# KiCad board B2_panel.kicad_pcb
title: Kleinvoet; date: 2023-07-04; rev: ${PROJECT_REV}; company: Department of Electrical and Electronic Engineering - Stellenbosch University; note: Digital Signal Processing Laboratory; note: Author: CM Geldenhuys <cmgeldenhuys@sun.ac.za>; note: Project: Kleinvoet; note: License: CERN-OHL-S-2.0
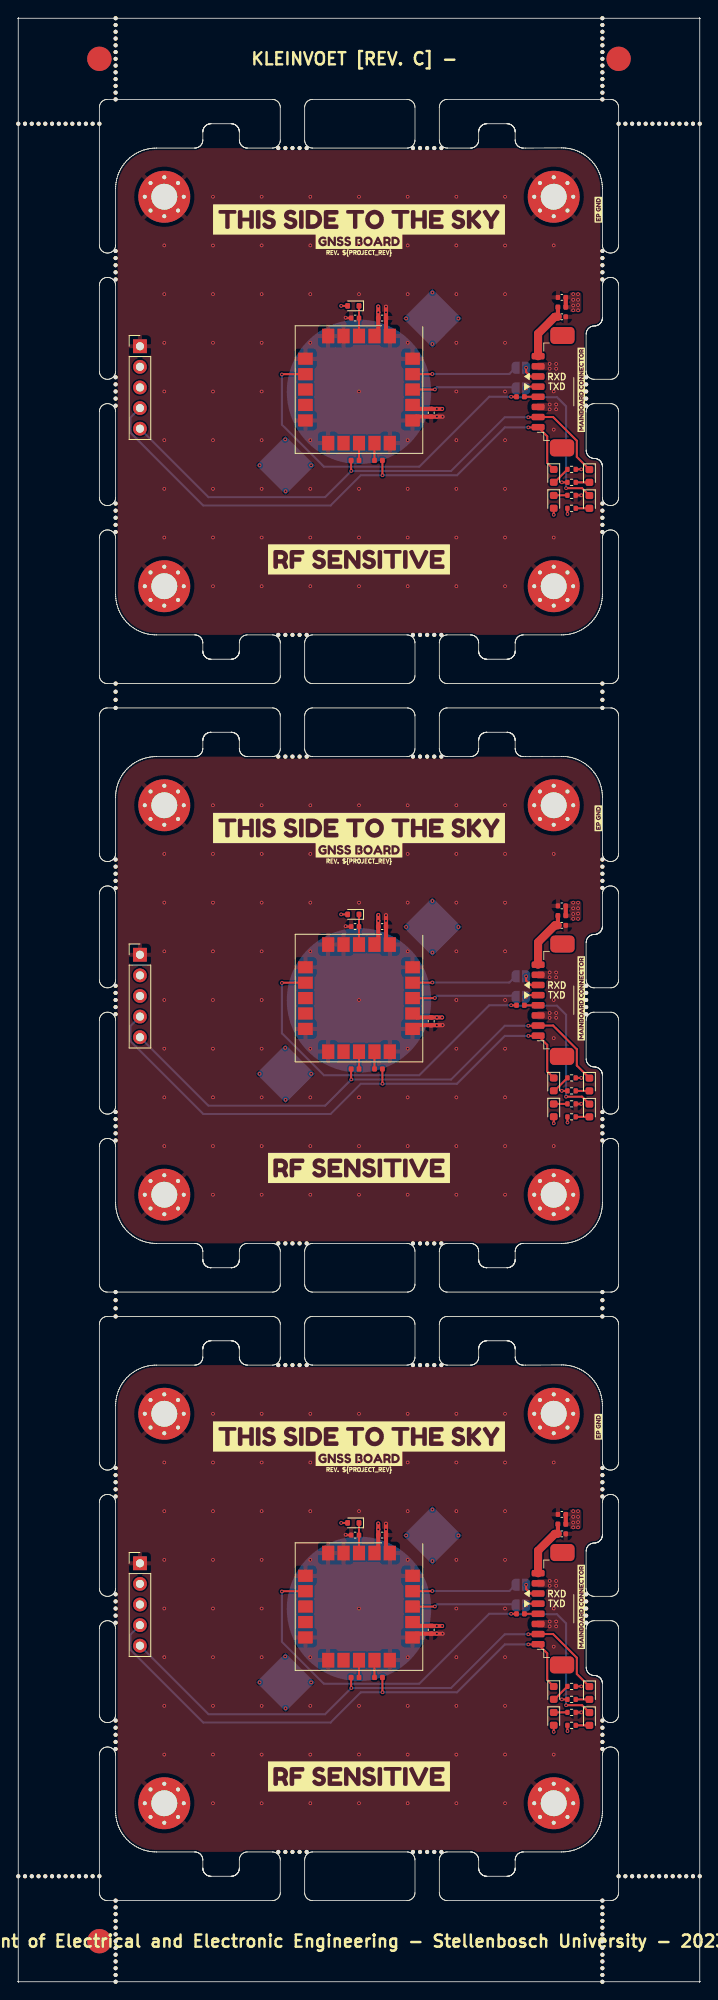
[diagram p0: board, top side]
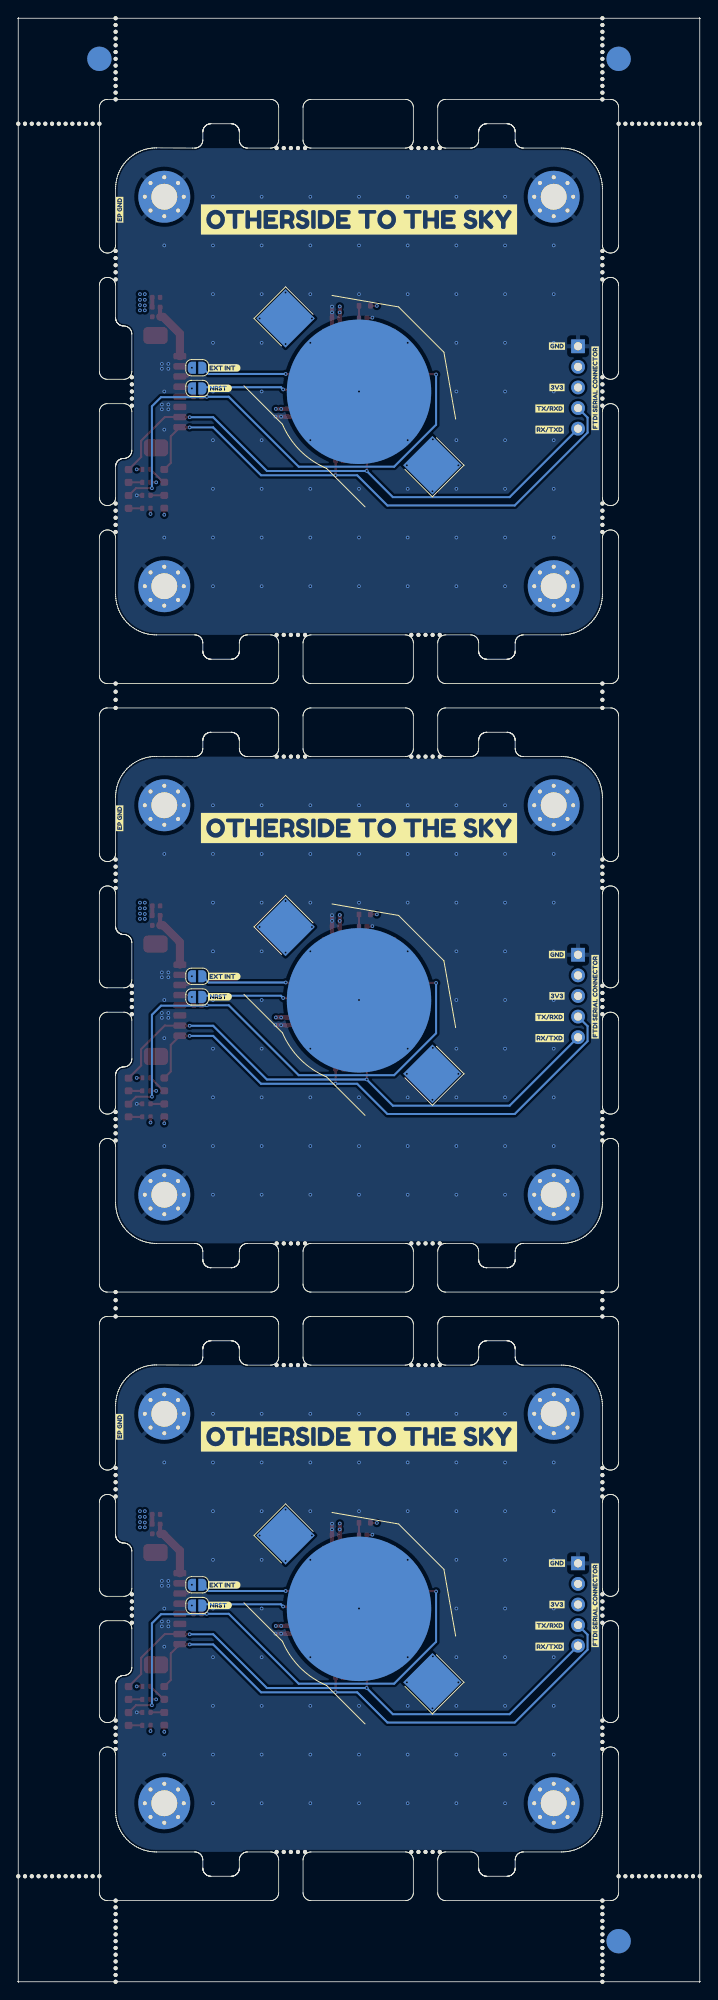
[diagram p1: board, bottom side, seen from below]

Outline 84 x 242 mm; copper layers: Top, In1.Cu, In2.Cu, Bottom. Coordinates in mm from the lower left corner of the outline.
Stack: Top 0.036mm / dielectric 0.07mm PrePreg1080 er 4.2 / dielectric 0.186mm PrePreg7628 er 4.2 / In1.Cu 0.035mm / dielectric 0.93mm NY2150 er 4.2 / In2.Cu 0.035mm / dielectric 0.186mm PrePreg7628 er 4.2 / dielectric 0.07mm PrePreg1080 er 4.2 / Bottom 0.036mm

## Placement (name value [footprint] x y rotation side)
B2  -  [Board]  18.2 76 0 top
B2#2  -  [Board]  18.2 151 0 top
B2#3  -  [Board]  18.2 226 0 top
BT301  CR2032  [BatteryHolder_Keystone_3002_1x2032]  42 45.96 45 bottom
BT301#2  CR2032  [BatteryHolder_Keystone_3002_1x2032]  42 195.96 45 bottom
BT301#3  CR2032  [BatteryHolder_Keystone_3002_1x2032]  42 120.96 45 bottom
C301  1u  [C_0402_1005Metric]  67 55.2 0 top
C301#2  1u  [C_0402_1005Metric]  67 130.2 0 top
C301#3  1u  [C_0402_1005Metric]  67 205.2 0 top
C302  1u  [C_0402_1005Metric]  67 207.6 180 top
C302#2  1u  [C_0402_1005Metric]  67 132.6 180 top
C302#3  1u  [C_0402_1005Metric]  67 57.6 180 top
C303  10u  [C_0402_1005Metric]  44.85 55.05 0 top
C303#2  10u  [C_0402_1005Metric]  44.85 205.05 0 top
C303#3  10u  [C_0402_1005Metric]  44.85 130.05 0 top
C304  10u  [C_0402_1005Metric]  50.9 118.38 270 top
C304#2  10u  [C_0402_1005Metric]  50.9 43.38 270 top
C304#3  10u  [C_0402_1005Metric]  50.9 193.38 270 top
C305  1u  [C_0402_1005Metric]  41.52 205.05 180 top
C305#2  1u  [C_0402_1005Metric]  41.52 130.05 180 top
C305#3  1u  [C_0402_1005Metric]  41.52 55.05 180 top
D301  Vf low  [D_SOD-523]  41.3 206.55 180 top
D301#2  Vf low  [D_SOD-523]  41.3 56.55 180 top
D301#3  Vf low  [D_SOD-523]  41.3 131.55 180 top
D302  PWR_RED  [LED_0603_1608Metric]  66 32.4 270 top
D302#2  PWR_RED  [LED_0603_1608Metric]  66 107.4 270 top
D302#3  PWR_RED  [LED_0603_1608Metric]  66 182.4 270 top
D303  BLUE  [LED_0603_1608Metric]  70.4 32.39 270 top
D303#2  BLUE  [LED_0603_1608Metric]  70.4 182.39 270 top
D303#3  BLUE  [LED_0603_1608Metric]  70.4 107.39 270 top
D304  GREEN  [LED_0603_1608Metric]  70.4 185.59 270 top
D304#2  GREEN  [LED_0603_1608Metric]  70.4 110.59 270 top
D304#3  GREEN  [LED_0603_1608Metric]  70.4 35.59 270 top
D305  ORANGE  [LED_0603_1608Metric]  66 185.6 270 top
D305#2  ORANGE  [LED_0603_1608Metric]  66 35.6 270 top
D305#3  ORANGE  [LED_0603_1608Metric]  66 110.6 270 top
FB301  100@100MHz  [L_0402_1005Metric]  67 131.4 0 top
FB301#2  100@100MHz  [L_0402_1005Metric]  67 56.4 0 top
FB301#3  100@100MHz  [L_0402_1005Metric]  67 206.4 0 top
FB302  100@100MHz  [L_0402_1005Metric]  44.4 187.5 180 top
FB302#2  100@100MHz  [L_0402_1005Metric]  44.4 37.5 180 top
FB302#3  100@100MHz  [L_0402_1005Metric]  44.4 112.5 180 top
FB303  100@100MHz  [L_0402_1005Metric]  41.51 112.5 0 top
FB303#2  100@100MHz  [L_0402_1005Metric]  41.51 187.5 0 top
FB303#3  100@100MHz  [L_0402_1005Metric]  41.51 37.5 0 top
FB305  100@100MHz  [L_0402_1005Metric]  61.9 45.35 0 top
FB305#2  100@100MHz  [L_0402_1005Metric]  61.9 195.35 0 top
FB305#3  100@100MHz  [L_0402_1005Metric]  61.9 120.35 0 top
H301  MountingHole_Pad  [MountingHole_3.2mm_M3_Pad_Via]  66 145 180 top
H301#2  MountingHole_Pad  [MountingHole_3.2mm_M3_Pad_Via]  66 70 180 top
H301#3  MountingHole_Pad  [MountingHole_3.2mm_M3_Pad_Via]  66 220 180 top
H302  MountingHole_Pad  [MountingHole_3.2mm_M3_Pad_Via]  18 70 180 top
H302#2  MountingHole_Pad  [MountingHole_3.2mm_M3_Pad_Via]  18 220 180 top
H302#3  MountingHole_Pad  [MountingHole_3.2mm_M3_Pad_Via]  18 145 180 top
H303  MountingHole_Pad  [MountingHole_3.2mm_M3_Pad_Via]  66 22 180 top
H303#2  MountingHole_Pad  [MountingHole_3.2mm_M3_Pad_Via]  66 172 180 top
H303#3  MountingHole_Pad  [MountingHole_3.2mm_M3_Pad_Via]  66 97 180 top
H304  MountingHole_Pad  [MountingHole_3.2mm_M3_Pad_Via]  18 22 180 top
H304#2  MountingHole_Pad  [MountingHole_3.2mm_M3_Pad_Via]  18 97 180 top
H304#3  MountingHole_Pad  [MountingHole_3.2mm_M3_Pad_Via]  18 172 180 top
J302  GNSS_MODULE_BOARD_CONNECTOR  [Connector_Amphenol_10114828-xxx08LF_Vertical]  68.47 45.97 90 top
J302#2  GNSS_MODULE_BOARD_CONNECTOR  [Connector_Amphenol_10114828-xxx08LF_Vertical]  68.47 120.97 90 top
J302#3  GNSS_MODULE_BOARD_CONNECTOR  [Connector_Amphenol_10114828-xxx08LF_Vertical]  68.47 195.97 90 top
J303  GNSS_FTDI_CONN  [PinHeader_1x05_P2.54mm_Vertical]  15 51.57 0 top
J303#2  GNSS_FTDI_CONN  [PinHeader_1x05_P2.54mm_Vertical]  15 201.57 0 top
J303#3  GNSS_FTDI_CONN  [PinHeader_1x05_P2.54mm_Vertical]  15 126.57 0 top
JP1  GNSS_CONN_~{RESET}_SEL  [SolderJumper-2_P1.3mm_Open_RoundedPad1.0x1.5mm]  61.95 46.38 180 bottom
JP1#2  GNSS_CONN_~{RESET}_SEL  [SolderJumper-2_P1.3mm_Open_RoundedPad1.0x1.5mm]  61.95 121.38 180 bottom
JP1#3  GNSS_CONN_~{RESET}_SEL  [SolderJumper-2_P1.3mm_Open_RoundedPad1.0x1.5mm]  61.95 196.38 180 bottom
JP2  GNSS_CONN_EXT_INT_SEL  [SolderJumper-2_P1.3mm_Open_RoundedPad1.0x1.5mm]  61.95 198.93 180 bottom
JP2#2  GNSS_CONN_EXT_INT_SEL  [SolderJumper-2_P1.3mm_Open_RoundedPad1.0x1.5mm]  61.95 123.93 180 bottom
JP2#3  GNSS_CONN_EXT_INT_SEL  [SolderJumper-2_P1.3mm_Open_RoundedPad1.0x1.5mm]  61.95 48.93 180 bottom
kibuzzard-644FCD80  G***  [kibuzzard-644FCD80]  69.4 196.2 90 top
kibuzzard-644FCD80#2  G***  [kibuzzard-644FCD80]  69.4 121.2 90 top
kibuzzard-644FCD80#3  G***  [kibuzzard-644FCD80]  69.4 46.2 90 top
kibuzzard-644FE0B0  G***  [kibuzzard-644FE0B0]  12.9 196.4 90 bottom
kibuzzard-644FE0B0#2  G***  [kibuzzard-644FE0B0]  12.9 46.4 90 bottom
kibuzzard-644FE0B0#3  G***  [kibuzzard-644FE0B0]  12.9 121.4 90 bottom
kibuzzard-644FE0C7  G***  [kibuzzard-644FE0C7]  17.6 126.6 180 bottom
kibuzzard-644FE0C7#2  G***  [kibuzzard-644FE0C7]  17.6 51.6 180 bottom
kibuzzard-644FE0C7#3  G***  [kibuzzard-644FE0C7]  17.6 201.6 180 bottom
kibuzzard-644FE0D3  G***  [kibuzzard-644FE0D3]  17.6 46.5 180 bottom
kibuzzard-644FE0D3#2  G***  [kibuzzard-644FE0D3]  17.6 196.5 180 bottom
kibuzzard-644FE0D3#3  G***  [kibuzzard-644FE0D3]  17.6 121.5 180 bottom
kibuzzard-644FE0E6  G***  [kibuzzard-644FE0E6]  18.5 43.9 180 bottom
kibuzzard-644FE0E6#2  G***  [kibuzzard-644FE0E6]  18.5 193.9 180 bottom
kibuzzard-644FE0E6#3  G***  [kibuzzard-644FE0E6]  18.5 118.9 180 bottom
kibuzzard-644FE0FE  G***  [kibuzzard-644FE0FE]  18.5 191.3 180 bottom
kibuzzard-644FE0FE#2  G***  [kibuzzard-644FE0FE]  18.5 116.3 180 bottom
kibuzzard-644FE0FE#3  G***  [kibuzzard-644FE0FE]  18.5 41.3 180 bottom
kibuzzard-644FE022  G***  [kibuzzard-644FE022]  42 67.2 0 top
kibuzzard-644FE022#2  G***  [kibuzzard-644FE022]  42 217.2 0 top
kibuzzard-644FE022#3  G***  [kibuzzard-644FE022]  42 142.2 0 top
kibuzzard-644FE057  G***  [kibuzzard-644FE057]  42 67.2 180 bottom
kibuzzard-644FE057#2  G***  [kibuzzard-644FE057]  42 142.2 180 bottom
kibuzzard-644FE057#3  G***  [kibuzzard-644FE057]  42 217.2 180 bottom
kibuzzard-644FEC52  G***  [kibuzzard-644FEC52]  58.6 198.9 180 bottom
kibuzzard-644FEC52#2  G***  [kibuzzard-644FEC52]  58.6 48.9 180 bottom
kibuzzard-644FEC52#3  G***  [kibuzzard-644FEC52]  58.6 123.9 180 bottom
kibuzzard-644FEC78  G***  [kibuzzard-644FEC78]  59.1 196.4 180 bottom
kibuzzard-644FEC78#2  G***  [kibuzzard-644FEC78]  59.1 46.4 180 bottom
kibuzzard-644FEC78#3  G***  [kibuzzard-644FEC78]  59.1 121.4 180 bottom
kibuzzard-645891C0  G***  [kibuzzard-645891C0]  42 175.3 0 top
kibuzzard-645891C0#2  G***  [kibuzzard-645891C0]  42 100.3 0 top
kibuzzard-645891C0#3  G***  [kibuzzard-645891C0]  42 25.3 0 top
kibuzzard-645891F3  G***  [kibuzzard-645891F3]  42 64.5 0 top
kibuzzard-645891F3#2  G***  [kibuzzard-645891F3]  42 214.5 0 top
kibuzzard-645891F3#3  G***  [kibuzzard-645891F3]  42 139.5 0 top
kibuzzard-645892E6  G***  [kibuzzard-645892E6]  71.5 68.4 90 top
kibuzzard-645892E6#2  G***  [kibuzzard-645892E6]  71.5 143.4 90 top
kibuzzard-645892E6#3  G***  [kibuzzard-645892E6]  71.5 218.4 90 top
kibuzzard-645892E6#4  G***  [kibuzzard-645892E6]  71.5 68.4 90 bottom
kibuzzard-645892E6#5  G***  [kibuzzard-645892E6]  71.5 218.4 90 bottom
kibuzzard-645892E6#6  G***  [kibuzzard-645892E6]  71.5 143.4 90 bottom
R302  2.2k  [R_0402_1005Metric]  68.2 33.2 180 top
R302#2  2.2k  [R_0402_1005Metric]  68.2 183.2 180 top
R302#3  2.2k  [R_0402_1005Metric]  68.2 108.2 180 top
R303  2.2k  [R_0402_1005Metric]  68.2 181.6 180 top
R303#2  2.2k  [R_0402_1005Metric]  68.2 106.6 180 top
R303#3  2.2k  [R_0402_1005Metric]  68.2 31.6 180 top
R304  2.2k  [R_0402_1005Metric]  68.2 34.8 0 top
R304#2  2.2k  [R_0402_1005Metric]  68.2 109.8 0 top
R304#3  2.2k  [R_0402_1005Metric]  68.2 184.8 0 top
R305  2.2k  [R_0402_1005Metric]  68.2 186.4 180 top
R305#2  2.2k  [R_0402_1005Metric]  68.2 111.4 180 top
R305#3  2.2k  [R_0402_1005Metric]  68.2 36.4 180 top
REF**  -  [NPTH]  48.65 91 0 top
REF**#2  -  [NPTH]  12 83 0 top
REF**#3  -  [NPTH]  72 7.5 0 top
REF**#4  -  [NPTH]  12 6.67 0 top
REF**#5  -  [NPTH]  78.17 229 0 top
REF**#6  -  [NPTH]  12 5.83 0 top
REF**#7  -  [NPTH]  72 83 0 top
REF**#8  -  [NPTH]  12 31.31 0 top
REF**#9  -  [NPTH]  77.33 13 0 top
REF**#10  -  [NPTH]  48.65 151 0 top
REF**#11  -  [NPTH]  49.52 16 0 top
REF**#12  -  [NPTH]  32.92 226 0 top
REF**#13  -  [NPTH]  70 196.88 0 top
REF**#14  -  [NPTH]  72 232.83 0 top
REF**#15  -  [NPTH]  72 209.81 0 top
REF**#16  -  [NPTH]  34.68 151 0 top
REF**#17  -  [NPTH]  12 209.81 0 top
REF**#18  -  [NPTH]  12 45.12 0 top
REF**#19  -  [NPTH]  49.52 166 0 top
REF**#20  -  [NPTH]  12 84 0 top
REF**#21  -  [NPTH]  12 239.5 0 top
REF**#22  -  [NPTH]  72 8.33 0 top
REF**#23  -  [NPTH]  70 196 0 top
REF**#24  -  [NPTH]  12 44.25 0 top
REF**#25  -  [NPTH]  75.67 229 0 top
REF**#26  -  [NPTH]  75.67 13 0 top
REF**#27  -  [NPTH]  32.05 91 0 top
REF**#28  -  [NPTH]  12 4.17 0 top
REF**#29  -  [NPTH]  72 63.31 0 top
REF**#30  -  [NPTH]  72 158 0 top
REF**#31  -  [NPTH]  77.33 229 0 top
REF**#32  -  [NPTH]  72 232 0 top
REF**#33  -  [NPTH]  72 59.81 0 top
REF**#34  -  [NPTH]  35.55 166 0 top
REF**#35  -  [NPTH]  72 5.83 0 top
REF**#36  -  [NPTH]  7.5 229 0 top
REF**#37  -  [NPTH]  33.8 226 0 top
REF**#38  -  [NPTH]  12 134.81 0 top
REF**#39  -  [NPTH]  12 181.31 0 top
REF**#40  -  [NPTH]  12 107.19 0 top
REF**#41  -  [NPTH]  52.15 16 0 top
REF**#42  -  [NPTH]  72 137.44 0 top
REF**#43  -  [NPTH]  72 134.81 0 top
REF**#44  -  [NPTH]  12 60.69 0 top
REF**#45  -  [NPTH]  8.33 229 0 top
REF**#46  -  [NPTH]  48.65 166 0 top
REF**#47  -  [NPTH]  72 0.83 0 top
REF**#48  -  [NPTH]  12 137.44 0 top
REF**#49  -  [NPTH]  10 229 0 top
REF**#50  -  [NPTH]  72 213.31 0 top
REF**#51  -  [NPTH]  70 194.25 0 top
REF**#52  -  [NPTH]  12 10 0 top
REF**#53  -  [NPTH]  50.4 16 0 top
REF**#54  -  [NPTH]  48.65 16 0 top
REF**#55  -  [Fiducial]  10 5 0 top
REF**#56  -  [NPTH]  0 13 0 top
REF**#57  -  [NPTH]  70 45.12 0 top
REF**#58  -  [NPTH]  12 32.19 0 top
REF**#59  -  [NPTH]  12 213.31 0 top
REF**#60  -  [NPTH]  12 0 0 top
REF**#61  -  [NPTH]  32.05 76 0 top
REF**#62  -  [NPTH]  52.15 226 0 top
REF**#63  -  [NPTH]  34.68 226 0 top
REF**#64  -  [NPTH]  72 178.69 0 top
REF**#65  -  [NPTH]  12 196 0 top
REF**#66  -  [NPTH]  12 3.33 0 top
REF**#67  -  [NPTH]  12 237 0 top
REF**#68  -  [NPTH]  72 179.56 0 top
REF**#69  -  [NPTH]  3.33 13 0 top
REF**#70  -  [NPTH]  12 182.19 0 top
REF**#71  -  [NPTH]  49.52 91 0 top
REF**#72  -  [NPTH]  79 13 0 top
REF**#73  -  [NPTH]  72 9.17 0 top
REF**#74  -  [NPTH]  0.83 13 0 top
REF**#75  -  [NPTH]  12 8.33 0 top
REF**#76  -  [NPTH]  12 241.17 0 top
REF**#77  -  [NPTH]  72 237.83 0 top
REF**#78  -  [NPTH]  70 44.25 0 top
REF**#79  -  [NPTH]  72 236.17 0 top
REF**#80  -  [NPTH]  2.5 13 0 top
REF**#81  -  [NPTH]  74 13 0 top
REF**#82  -  [NPTH]  51.28 76 0 top
REF**#83  -  [NPTH]  72 210.69 0 top
REF**#84  -  [NPTH]  72 84 0 top
REF**#85  -  [NPTH]  35.55 91 0 top
REF**#86  -  [NPTH]  12 240.33 0 top
REF**#87  -  [NPTH]  80.67 229 0 top
REF**#88  -  [NPTH]  33.8 16 0 top
REF**#89  -  [NPTH]  52.15 151 0 top
REF**#90  -  [NPTH]  5.83 229 0 top
REF**#91  -  [NPTH]  81.5 229 0 top
REF**#92  -  [NPTH]  78.17 13 0 top
REF**#93  -  [NPTH]  12 46.88 0 top
REF**#94  -  [NPTH]  72 181.31 0 top
REF**#95  -  [NPTH]  72 4.17 0 top
REF**#96  -  [NPTH]  32.92 76 0 top
REF**#97  -  [NPTH]  70 119.25 0 top
REF**#98  -  [NPTH]  50.4 226 0 top
REF**#99  -  [NPTH]  70 121.88 0 top
REF**#100  -  [NPTH]  12 195.12 0 top
REF**#101  -  [NPTH]  9.17 13 0 top
REF**#102  -  [NPTH]  12 178.69 0 top
REF**#103  -  [NPTH]  51.28 226 0 top
REF**#104  -  [NPTH]  12 159 0 top
REF**#105  -  [NPTH]  34.68 76 0 top
REF**#106  -  [NPTH]  32.05 151 0 top
REF**#107  -  [NPTH]  33.8 76 0 top
REF**#108  -  [NPTH]  12 136.56 0 top
REF**#109  -  [NPTH]  34.68 91 0 top
REF**#110  -  [NPTH]  12 103.69 0 top
REF**#111  -  [NPTH]  48.65 226 0 top
REF**#112  -  [NPTH]  1.67 13 0 top
REF**#113  -  [NPTH]  12 158 0 top
REF**#114  -  [NPTH]  12 194.25 0 top
REF**#115  -  [NPTH]  35.55 226 0 top
REF**#116  -  [NPTH]  12 30.44 0 top
REF**#117  -  [NPTH]  72 212.44 0 top
REF**#118  -  [NPTH]  72 82 0 top
REF**#119  -  [NPTH]  72 62.44 0 top
REF**#120  -  [NPTH]  72 1.67 0 top
REF**#121  -  [NPTH]  52.15 91 0 top
REF**#122  -  [NPTH]  70 195.12 0 top
REF**#123  -  [NPTH]  12 63.31 0 top
REF**#124  -  [NPTH]  12 233.67 0 top
REF**#125  -  [NPTH]  72 85 0 top
REF**#126  -  [NPTH]  35.55 16 0 top
REF**#127  -  [NPTH]  72 239.5 0 top
REF**#128  -  [NPTH]  72 61.56 0 top
REF**#129  -  [NPTH]  8.33 13 0 top
REF**#130  -  [NPTH]  72 3.33 0 top
REF**#131  -  [NPTH]  12 232 0 top
REF**#132  -  [NPTH]  12 7.5 0 top
REF**#133  -  [NPTH]  72 136.56 0 top
REF**#134  -  [NPTH]  12 135.69 0 top
REF**#135  -  [NPTH]  83.17 13 0 top
REF**#136  -  [NPTH]  12 160 0 top
REF**#137  -  [NPTH]  72 138.31 0 top
REF**#138  -  [NPTH]  70 120.12 0 top
REF**#139  -  [NPTH]  80.67 13 0 top
REF**#140  -  [NPTH]  0 229 0 top
REF**#141  -  [NPTH]  72 2.5 0 top
REF**#142  -  [NPTH]  72 104.56 0 top
REF**#143  -  [NPTH]  72 241.17 0 top
REF**#144  -  [NPTH]  35.55 76 0 top
REF**#145  -  [NPTH]  12 120.12 0 top
REF**#146  -  [NPTH]  12 2.5 0 top
REF**#147  -  [NPTH]  72 160 0 top
REF**#148  -  [NPTH]  12 179.56 0 top
REF**#149  -  [NPTH]  12 29.56 0 top
REF**#150  -  [NPTH]  4.17 13 0 top
REF**#151  -  [NPTH]  49.52 226 0 top
REF**#152  -  [NPTH]  12 197.75 0 top
REF**#153  -  [NPTH]  70 121 0 top
REF**#154  -  [NPTH]  6.67 229 0 top
REF**#155  -  [NPTH]  12 1.67 0 top
REF**#156  -  [NPTH]  76.5 229 0 top
REF**#157  -  [NPTH]  72 107.19 0 top
REF**#158  -  [NPTH]  12 121 0 top
REF**#159  -  [NPTH]  79.83 13 0 top
REF**#160  -  [NPTH]  72 237 0 top
REF**#161  -  [NPTH]  72 235.33 0 top
REF**#162  -  [NPTH]  50.4 151 0 top
REF**#163  -  [NPTH]  72 211.56 0 top
REF**#164  -  [NPTH]  74.83 13 0 top
REF**#165  -  [NPTH]  79.83 229 0 top
REF**#166  -  [NPTH]  6.67 13 0 top
REF**#167  -  [NPTH]  12 138.31 0 top
REF**#168  -  [NPTH]  50.4 76 0 top
REF**#169  -  [NPTH]  33.8 91 0 top
REF**#170  -  [NPTH]  33.8 151 0 top
REF**#171  -  [NPTH]  82.33 229 0 top
REF**#172  -  [NPTH]  12 121.88 0 top
REF**#173  -  [NPTH]  48.65 76 0 top
REF**#174  -  [NPTH]  72 103.69 0 top
REF**#175  -  [NPTH]  72 234.5 0 top
REF**#176  -  [NPTH]  72 233.67 0 top
REF**#177  -  [NPTH]  0.83 229 0 top
REF**#178  -  [NPTH]  12 46 0 top
REF**#179  -  [NPTH]  72 32.19 0 top
REF**#180  -  [NPTH]  5.83 13 0 top
REF**#181  -  [NPTH]  70 47.75 0 top
REF**#182  -  [NPTH]  70 46 0 top
REF**#183  -  [NPTH]  33.8 166 0 top
REF**#184  -  [NPTH]  32.92 16 0 top
REF**#185  -  [NPTH]  32.05 226 0 top
REF**#186  -  [NPTH]  79 229 0 top
REF**#187  -  [NPTH]  72 10 0 top
REF**#188  -  [NPTH]  70 122.75 0 top
REF**#189  -  [NPTH]  12 62.44 0 top
REF**#190  -  [NPTH]  72 135.69 0 top
REF**#191  -  [NPTH]  12 9.17 0 top
REF**#192  -  [NPTH]  76.5 13 0 top
REF**#193  -  [NPTH]  70 197.75 0 top
REF**#194  -  [Fiducial]  74 237 0 top
REF**#195  -  [NPTH]  72 0 0 top
REF**#196  -  [NPTH]  32.92 91 0 top
REF**#197  -  [NPTH]  3.33 229 0 top
REF**#198  -  [NPTH]  12 59.81 0 top
REF**#199  -  [NPTH]  72 238.67 0 top
REF**#200  -  [NPTH]  32.92 151 0 top
REF**#201  -  [NPTH]  12 210.69 0 top
REF**#202  -  [NPTH]  72 28.69 0 top
REF**#203  -  [NPTH]  72 6.67 0 top
REF**#204  -  [NPTH]  12 242 0 top
REF**#205  -  [NPTH]  12 232.83 0 top
REF**#206  -  [NPTH]  74 229 0 top
REF**#207  -  [NPTH]  12 106.31 0 top
REF**#208  -  [NPTH]  12 28.69 0 top
REF**#209  -  [NPTH]  52.15 166 0 top
REF**#210  -  [NPTH]  72 157 0 top
REF**#211  -  [NPTH]  12 237.83 0 top
REF**#212  -  [NPTH]  72 159 0 top
REF**#213  -  [NPTH]  12 211.56 0 top
REF**#214  -  [NPTH]  49.52 76 0 top
REF**#215  -  [NPTH]  7.5 13 0 top
REF**#216  -  [NPTH]  32.05 16 0 top
REF**#217  -  [NPTH]  12 196.88 0 top
REF**#218  -  [NPTH]  12 119.25 0 top
REF**#219  -  [NPTH]  84 13 0 top
REF**#220  -  [NPTH]  12 61.56 0 top
REF**#221  -  [NPTH]  74.83 229 0 top
REF**#222  -  [Fiducial]  10 237 0 top
REF**#223  -  [NPTH]  12 235.33 0 top
REF**#224  -  [NPTH]  5 229 0 top
REF**#225  -  [NPTH]  12 85 0 top
REF**#226  -  [NPTH]  12 238.67 0 top
REF**#227  -  [NPTH]  72 60.69 0 top
REF**#228  -  [NPTH]  12 105.44 0 top
REF**#229  -  [NPTH]  35.55 151 0 top
REF**#230  -  [NPTH]  12 236.17 0 top
REF**#231  -  [NPTH]  70 46.88 0 top
REF**#232  -  [NPTH]  2.5 229 0 top
REF**#233  -  [NPTH]  34.68 16 0 top
REF**#234  -  [NPTH]  50.4 91 0 top
REF**#235  -  [NPTH]  12 157 0 top
REF**#236  -  [NPTH]  34.68 166 0 top
REF**#237  -  [NPTH]  72 5 0 top
REF**#238  -  [NPTH]  12 104.56 0 top
REF**#239  -  [NPTH]  72 180.44 0 top
REF**#240  -  [NPTH]  12 212.44 0 top
REF**#241  -  [NPTH]  72 242 0 top
REF**#242  -  [NPTH]  5 13 0 top
REF**#243  -  [NPTH]  72 105.44 0 top
REF**#244  -  [NPTH]  83.17 229 0 top
REF**#245  -  [NPTH]  50.4 166 0 top
REF**#246  -  [NPTH]  12 0.83 0 top
REF**#247  -  [NPTH]  72 106.31 0 top
REF**#248  -  [NPTH]  12 5 0 top
REF**#249  -  [NPTH]  51.28 16 0 top
REF**#250  -  [NPTH]  72 31.31 0 top
REF**#251  -  [NPTH]  12 122.75 0 top
REF**#252  -  [NPTH]  84 229 0 top
REF**#253  -  [NPTH]  49.52 151 0 top
REF**#254  -  [NPTH]  12 47.75 0 top
REF**#255  -  [NPTH]  51.28 91 0 top
REF**#256  -  [NPTH]  1.67 229 0 top
REF**#257  -  [NPTH]  51.28 151 0 top
REF**#258  -  [NPTH]  81.5 13 0 top
REF**#259  -  [NPTH]  4.17 229 0 top
REF**#260  -  [NPTH]  72 30.44 0 top
REF**#261  -  [NPTH]  12 82 0 top